# Altium PCB SI941C.PcbDoc (part 2 of 3) (continued)
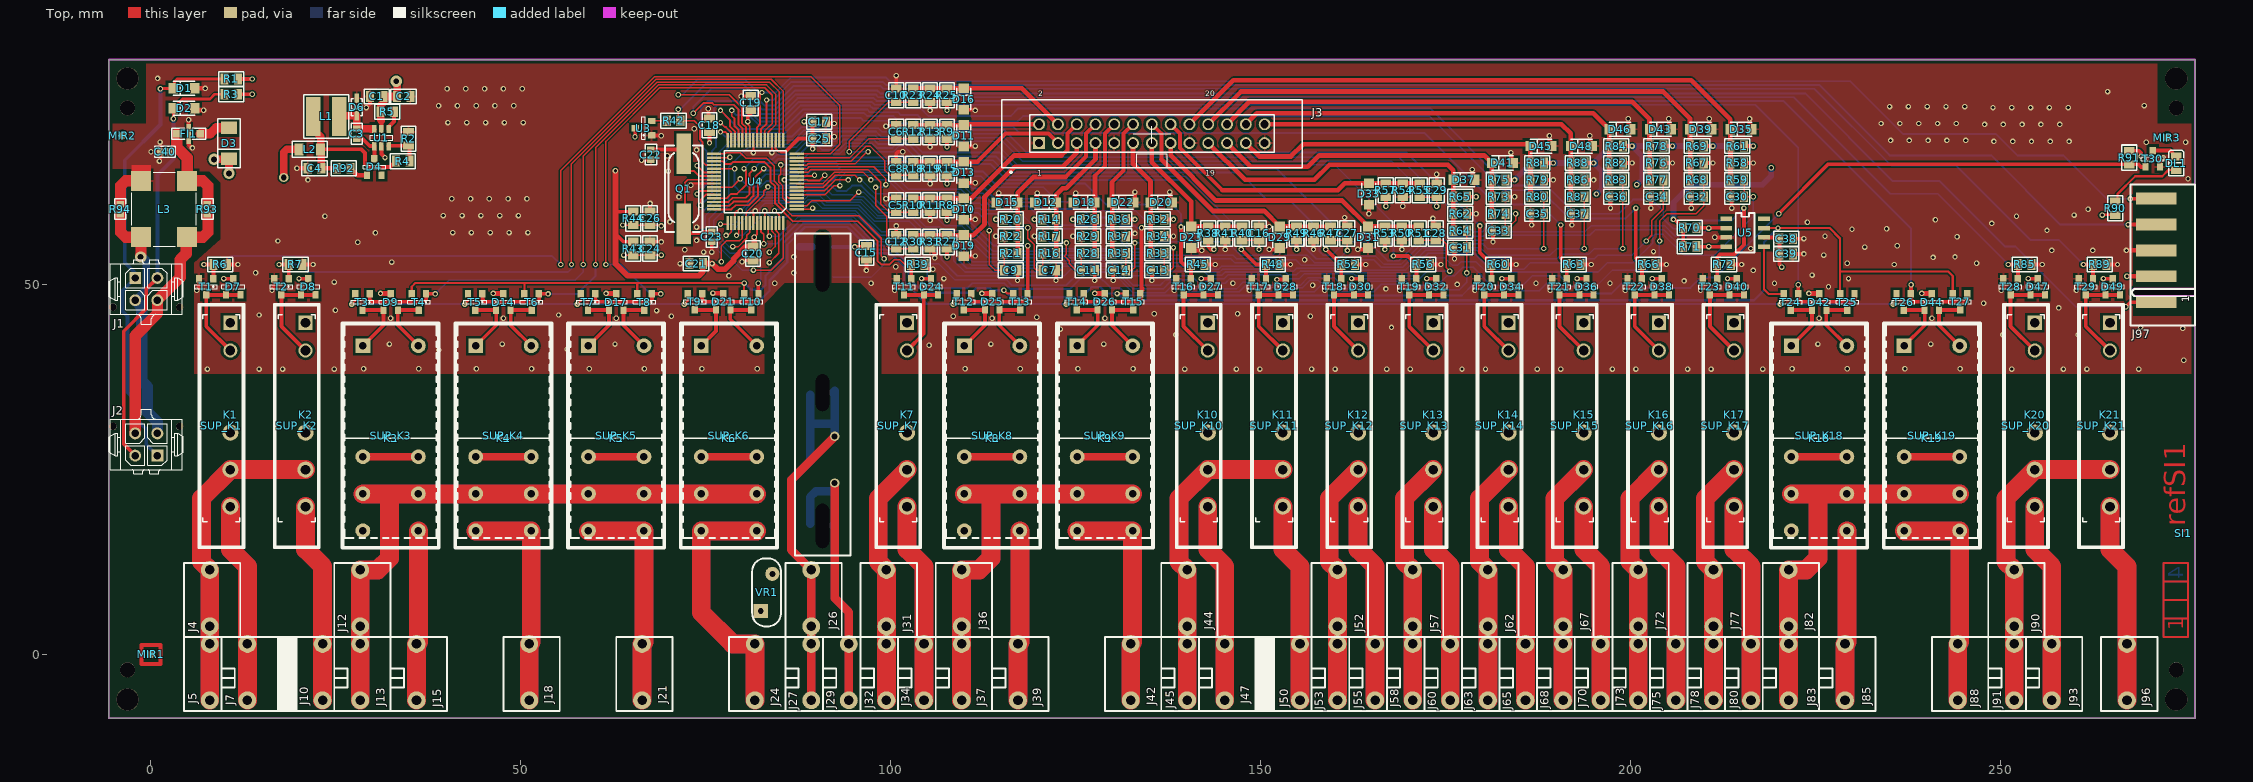
[diagram p0: Top view]
## Nets (pads, with @x,y where several pads share a name; then routed paths per layer and width w, separated by ;. In a path a pad name is that pad's centre, name@x,y a point inside that pad or via, vN(x,y) a via of type N, cw(c..) or ccw(c..) an arc to the next point about the centre after c; other vN are vias at no path point) (continued)
IN15_UC: C31.2 R64.2 U4.60 | length 113.3
  Top w0.203: U4.60@83.415,58.298 83.415,56.666 v1(83.566,56.515) ; v1(177.8,51.562) 177.825,51.587 C31.2@177.825,54.991 R64.2@177.825,57.277
  Bottom w0.203: v1(83.566,56.515) 84.836,56.515 87.503,59.182 94.869,59.182 98.298,55.753 102.362,55.753 105.283,52.832 106.426,52.832 108.585,50.673 115.57,50.673 116.332,49.911 123.698,49.911 125.476,51.689 129.921,51.689 132.715,48.895 137.033,48.895 138.049,49.911 138.938,49.911 139.827,49.022 147.066,49.022 147.955,49.911 148.844,49.911 149.733,49.022 157.226,49.022 158.115,49.911 159.258,49.911 160.147,49.022 165.227,49.022 166.243,50.038 169.037,50.038 169.799,49.276 176.784,49.276 177.8,50.292 v1(177.8,51.562)
IN16: D39.K J3.20 R67.2 R68.1 R69.1 | length 76.8
  Top w0.635: J3.20@142.875,71.65 147.298,76.073 204.343,76.073 207.973,72.443 D39.K@207.973,70.993 207.973,68.735 R69.1@208.001,68.707 R67.2@208.001,66.421 R68.1@208.001,64.135
IN16_UC: C32.2 R68.2 U4.59 | length 151.3
  Top w0.203: U4.59@82.915,58.298 82.915,59.928 v1(82.931,59.944) ; v1(203.86,55.88) 203.86,58.572 204.851,59.563 208.788,59.563 209.804,60.579 209.804,61.824 C32.2@209.829,61.849 R68.2@209.829,64.135
  Bottom w0.203: v1(82.931,59.944) 83.82,59.055 85.852,59.055 86.36,59.563 95.123,59.563 98.552,56.134 102.743,56.134 104.267,54.61 106.045,54.61 106.807,53.848 106.807,53.34 108.966,51.181 123.444,51.181 124.333,52.07 130.048,52.07 132.715,49.403 136.779,49.403 137.668,50.292 139.446,50.292 140.335,49.403 146.685,49.403 147.574,50.292 149.225,50.292 149.987,49.53 155.575,49.53 156.591,50.546 157.734,50.546 157.988,50.292 159.639,50.292 160.528,49.403 163.322,49.403 164.338,50.419 169.799,50.419 170.307,49.911 173.863,49.911 175.133,51.181 176.149,51.181 177.292,52.324 178.689,52.324 181.102,49.911 185.42,49.911 186.69,51.181 190.373,51.181 191.77,49.784 195.326,49.784 197.485,51.943 202.184,51.943 203.835,53.594 203.835,55.855 v1(203.86,55.88)
IN17: D41.K J3.21 R73.2 R74.1 R75.1 | length 45
  Top w0.635: J3.21@145.415,69.11 148.612,65.913 156.337,65.913 157.861,67.437 180.16,67.437 D41.K@181.176,66.421 181.176,64.163 R75.1@181.204,64.135 R73.2@181.204,61.849 R74.1@181.204,59.563
IN17_UC: C33.2 R74.2 U4.53 | length 145.7
  Top w0.203: v1(77.089,53.086) 77.089,55.245 77.724,55.88 79.502,55.88 79.915,56.293 U4.53@79.915,58.298 ; R74.2@183.032,59.563 C33.2@183.032,57.277 184.404,58.649 v1(184.404,59.563)
  Bottom w0.203: v1(77.089,53.086) 77.089,54.102 74.422,56.769 74.422,59.69 76.454,61.722 76.454,67.564 78.359,69.469 86.868,69.469 88.265,70.866 90.678,70.866 90.932,71.12 98.298,71.12 98.806,70.612 99.695,70.612 100.33,71.247 102.87,71.247 103.759,70.358 114.808,70.358 117.983,67.183 168.656,67.183 178.689,57.15 179.959,57.15 182.372,59.563 v1(184.404,59.563)
IN18: D43.K J3.22 R76.2 R77.1 R78.1 | length 67.5
  Top w0.635: J3.22@145.415,71.65 148.441,74.676 200.152,74.676 202.512,72.316 D43.K@202.512,70.993 202.512,68.735 R78.1@202.54,68.707 R76.2@202.54,66.421 R77.1@202.54,64.135
IN18_UC: C34.2 R77.2 U4.52 | length 146.1
  Top w0.203: v1(79.121,56.642) 79.201,56.642 79.415,56.856 U4.52@79.415,58.298 ; v1(202.057,55.88) 202.819,56.642 202.819,58.649 204.368,60.198 C34.2@204.368,61.849 R77.2@204.368,64.135
  Bottom w0.203: v1(79.121,56.642) 80.01,56.642 82.296,58.928 82.296,60.325 82.931,60.96 88.265,60.96 88.773,61.468 90.297,61.468 91.059,60.706 95.631,60.706 97.79,58.547 102.489,58.547 104.267,56.769 106.172,56.769 107.124,55.816 108.267,55.816 109.474,54.61 109.474,53.975 110.871,52.578 121.412,52.578 122.047,53.213 130.683,53.213 132.08,51.816 142.271,51.816 142.827,51.26 144.732,51.26 145.161,51.689 153.289,51.689 153.67,51.308 154.813,51.308 155.321,51.816 162.814,51.816 163.068,51.562 169.926,51.562 172.593,54.229 178.816,54.229 180.975,52.07 185.547,52.07 186.436,52.959 193.04,52.959 193.548,53.467 195.072,53.467 195.58,53.975 200.152,53.975 v1(202.057,55.88)
IN19: D45.K J3.23 R79.2 R80.1 R81.1 | length 46.8
  Top w0.635: J3.23@147.955,69.11 149.755,67.31 154.051,67.31 155.702,68.961 186.129,68.961 D45.K@186.383,68.707 186.383,66.449 R81.1@186.411,66.421 R79.2@186.411,64.135 R80.1@186.411,61.849
IN19_UC: C35.2 R80.2 U4.51 | length 126.5
  Top w0.203: U4.51@78.915,58.298 78.915,59.738 79.121,59.944 v1(79.629,59.944) ; v1(188.214,54.864) 188.214,59.538 C35.2@188.239,59.563 R80.2@188.239,61.849
  Bottom w0.203: v1(79.629,59.944) 81.788,62.103 87.884,62.103 88.646,62.865 91.313,62.865 92.075,62.103 94.805,62.103 95.059,61.849 96.266,61.849 98.425,59.69 103.759,59.69 104.013,59.436 105.791,59.436 107.315,57.912 109.601,57.912 113.411,54.102 120.142,54.102 120.523,54.483 131.318,54.483 132.334,53.467 145.926,53.467 146.431,52.962 152.276,52.962 153.289,53.975 156.21,53.975 157.226,52.959 160.909,52.959 161.798,53.848 165.481,53.848 166.624,52.705 168.91,52.705 171.704,55.499 179.959,55.499 180.594,54.864 v1(188.214,54.864)
IN20: D46.K J3.24 R82.2 R83.1 R84.1 | length 57.5
  Top w0.635: J3.24@147.955,71.65 149.457,73.152 194.892,73.152 D46.K@197.051,70.993 197.051,68.735 R84.1@197.079,68.707 R82.2@197.079,66.421 R83.1@197.079,64.135
IN20_UC: C36.2 R83.2 U4.50 | length 143
  Top w0.203: v1(77.724,56.642) 77.978,56.642 78.415,57.079 U4.50@78.415,58.298 ; v1(198.882,54.864) 198.882,61.824 C36.2@198.907,61.849 R83.2@198.907,64.135
  Bottom w0.203: v1(77.724,56.642) 77.978,56.642 80.899,59.563 80.899,60.198 82.042,61.341 88.138,61.341 88.773,61.976 90.424,61.976 91.313,61.087 95.885,61.087 98.044,58.928 102.87,58.928 104.521,57.277 106.439,57.277 107.315,56.401 108.572,56.401 110.236,54.737 110.236,53.848 110.998,53.086 121.158,53.086 121.666,53.594 130.937,53.594 132.08,52.451 142.24,52.451 143.002,51.689 144.399,51.689 144.78,52.07 153.797,52.07 154.051,51.816 154.432,51.816 154.813,52.197 163.068,52.197 163.322,51.943 169.545,51.943 172.212,54.61 179.197,54.61 180.34,53.467 189.992,53.467 190.627,54.102 194.31,54.102 195.072,54.864 v1(198.882,54.864)
IN21: D48.K J3.26 R86.2 R87.1 R88.1 | length 50.4
  Top w0.635: J3.26@150.495,71.65 190.605,71.65 191.844,70.411 D48.K@191.844,68.707 191.844,66.449 R88.1@191.872,66.421 R86.2@191.872,64.135 R87.1@191.872,61.849
IN21_UC: C37.2 R87.2 U4.49 | length 134.8
  Top w0.203: v1(76.962,58.166) 77.783,58.166 U4.49@77.915,58.298 ; v1(193.675,54.864) 193.675,59.538 C37.2@193.7,59.563 R87.2@193.7,61.849
  Bottom w0.203: v1(76.962,58.166) 78.867,58.166 80.423,59.722 80.423,60.23 81.915,61.722 88.011,61.722 88.646,62.357 90.932,62.357 91.821,61.468 96.012,61.468 98.171,59.309 103.168,59.309 104.692,57.785 106.68,57.785 107.188,57.277 109.474,57.277 113.157,53.594 120.65,53.594 121.031,53.975 131.191,53.975 132.207,52.959 142.494,52.959 143.383,52.07 144.272,52.07 144.653,52.451 152.335,52.451 153.224,53.34 154.686,53.34 155.448,52.578 161.544,52.578 162.306,53.34 165.227,53.34 166.243,52.324 169.164,52.324 171.831,54.991 179.578,54.991 180.594,53.975 189.103,53.975 189.992,54.864 v1(193.675,54.864)
LED: R91.1 T30.1 U4.58 | length 208.3
  Top w0.254: U4.58@82.415,58.298 82.415,57.158 82.804,56.769 v1(82.804,55.499)
  Top w0.508: v1(219.964,59.563) 226.638,66.237 R91.1@267.335,66.237 268.567,66.237 268.911,65.892 T30.1@269.535,65.892
  Bottom w0.254: v1(82.804,55.499) 84.582,55.499 87.884,58.801 94.615,58.801 98.171,55.245 101.854,55.245 104.902,52.197 104.902,50.546 105.918,49.53 110.363,49.53 110.998,50.165 115.316,50.165 116.078,49.403 124.206,49.403 126.111,51.308 127.889,51.308 129.667,49.53 130.937,49.53 131.953,48.514 177.165,48.514 178.689,50.038 179.959,50.038 180.848,49.149 187.579,49.149 188.595,50.165 189.992,50.165 191.389,48.768 197.358,48.768 198.755,50.165 200.025,50.165 200.66,49.53 208.026,49.53 209.423,50.927 211.328,50.927 v1(219.964,59.563)
NetC3_1: C3.1 D6.K L1.1 U1.6 | length 6.6
  Top w0.635: 29.718,71 U1.6@30.197,71
  Top w1.016: L1.1@25.435,72.707 25.531,72.803 D6.K@27.813,72.803 C3.1@27.813,71.032 29.686,71.032 29.718,71
NetC3_2: C3.2 D4.3 U1.1 | length 4.5
  Top w0.508: C3.2@27.813,69.691 28.568,69.691 29.559,68.7 U1.1@30.197,68.7 30.194,68.698 D4.3@30.194,66.981
NetC4_2: C4.2 L1.2 L2.1 R4.2 R92.2 | length 20.3
  Top w0.508: L2.1@22.913,68.263 28.448,68.263 28.924,67.786 28.924,66.358 29.4,65.881 32.296,65.881 R4.2@33.09,66.675
  Top w0.635: C4.2@23.012,65.722 R92.2@25.114,65.722 R92.2@25.284,65.722
  Top w1.016: L1.2@21.936,70.965 22.913,69.988 L2.1@22.913,68.263 23.012,68.163 C4.2@23.012,65.722
NetC22_2: C22.2 Q1.1 U4.39 | length 8.5
  Top w0.254: Q1.1@72.457,65.327 73.41,65.327 74.089,64.648 U4.39@76.065,64.648
  Top w0.508: C22.2@67.564,68.235 71.442,68.235 Q1.1@71.981,67.696
NetC23_2: C23.2 Q1.2 U4.40 | length 15.5
  Top w0.254: Q1.2@72.14,57.481 72.14,63.739 72.549,64.148 U4.40@76.065,64.148
  Top w0.508: Q1.2@71.981,58.196 71.981,56.913 74.362,56.913 74.557,57.108 C23.2@75.791,57.108
NetD1_K: D1.K J1.1 J2.1 R1.2 | length 64.4
  Top w0.381: v1(1.27,76.454) 1.318,76.502 D1.K@3.027,76.502 ; D1.K@3.011,76.597 3.191,76.777 3.191,77.438 3.524,77.772 R1.2@9.912,77.772
  Top w0.508: D1.K@2.987,76.573 D1.K@3.011,76.597
  Bottom w0.508: J2.1@0.865,26.88 -0.635,28.38 -0.635,30.48 -2.413,32.258 -2.413,34.671 -3.175,35.433 -3.175,45.72 -3.81,46.355 -3.81,49.205 J1.1@-2.135,50.88 -2.135,51.538 -3.556,52.959 -3.556,66.802 1.27,71.628 v1(1.27,76.454)
NetD2_K: D2.K J1.2 J2.2 R3.2 | length 58.1
  Top w0.381: v1@3.048,72.39 v1(3.027,72.411) D2.K@3.027,73.803 3.011,73.803 4.281,75.073 7.969,75.073 8.604,75.708 R3.2@9.912,75.708
  Top w0.508: J2.2@-2.135,26.88 -3.683,28.428 -3.683,43.688 -0.635,46.736 -0.635,49.38 J1.2@0.865,50.88
  Bottom w0.508: J1.2@0.865,50.88 0.865,64.794 3.048,66.977 v1@3.048,72.411
NetD3_A: D3.A FI1.3 | length 4.2
  Top w1.254: FI1.3@6.667,70.358 8.001,70.358 8.815,71.172 D3.A@10.541,71.172
NetD4_1: D4.1 R92.1 | length 2.7
  Top w0.635: R92.1@26.943,65.722 27.884,64.781 D4.1@29.219,64.781
NetD7_1: D7.1 D7.2 K1.A1 T1.3 | length 13.5
  Top w0.508: K1.A1@10.725,41.08 7.461,44.344 T1.3@7.461,48.589 D7.1@10.138,48.589 D7.2@12.087,48.589
NetD8_1: D8.1 D8.2 K2.A1 T2.3 | length 13.5
  Top w0.508: K2.A1@20.885,41.08 17.621,44.344 T2.3@17.621,48.589 D8.1@20.298,48.589 D8.2@22.247,48.589
NetD9_1: D9.1 K3.A1 T3.3 | length 8.8
  Top w0.508: T3.3@28.575,46.57 31.41,46.57 31.41,44.5 K3.A1@28.635,41.725
NetD9_2: D9.2 K3.A2 T4.3 | length 8.8
  Top w0.508: K3.A2@36.135,41.725 33.36,44.5 33.36,46.57 T4.3@36.195,46.57
NetD14_1: D14.1 K4.A1 T5.3 | length 8.8
  Top w0.508: T5.3@43.815,46.57 46.65,46.57 46.65,44.5 K4.A1@43.875,41.725
NetD14_2: D14.2 K4.A2 T6.3 | length 8.8
  Top w0.508: K4.A2@51.375,41.725 48.6,44.5 48.6,46.57 T6.3@51.435,46.57
NetD17_1: D17.1 K5.A1 T7.3 | length 8.8
  Top w0.508: T7.3@59.055,46.57 61.89,46.57 61.89,44.5 K5.A1@59.115,41.725
NetD17_2: D17.2 K5.A2 T8.3 | length 8.8
  Top w0.508: K5.A2@66.615,41.725 63.84,44.5 63.84,46.57 T8.3@66.675,46.57
NetD21_1: D21.1 K6.A1 T9.3 | length 8.5
  Top w0.508: T9.3@73.501,46.57 D21.1@76.336,46.57 76.336,43.706 K6.A1@74.355,41.725
NetD21_2: D21.2 K6.A2 T10.3 | length 9.2
  Top w0.508: T10.3@81.121,46.57 D21.2@78.286,46.57 78.286,45.294 K6.A2@81.855,41.725
NetD24_1: D24.1 D24.2 K7.A1 T11.3 | length 13.1
  Top w0.508: T11.3@101.759,48.589 D24.1@104.435,48.589 ; K7.A1@102.165,41.08 104.435,43.35 D24.1@104.435,48.589 ; D24.2@106.385,48.589 D24.1@104.435,48.589
NetD25_1: D25.1 K8.A1 T12.3 | length 8.8
  Top w0.508: T12.3@109.855,46.57 D25.1@112.69,46.57 112.69,44.5 K8.A1@109.915,41.725
NetD25_2: D25.2 K8.A2 T13.3 | length 8.8
  Top w0.508: K8.A2@117.415,41.725 114.64,44.5 D25.2@114.64,46.57 T13.3@117.475,46.57
NetD26_1: D26.1 K9.A1 T14.3 | length 8.8
  Top w0.508: T14.3@125.095,46.57 D26.1@127.93,46.57 127.93,44.5 K9.A1@125.155,41.725
NetD26_2: D26.2 K9.A2 T15.3 | length 8.8
  Top w0.508: K9.A2@132.655,41.725 129.88,44.5 D26.2@129.88,46.57 T15.3@132.715,46.57
NetD27_1: D27.1 D27.2 K10.A1 T16.3 | length 13.5
  Top w0.508: K10.A1@142.805,41.08 139.541,44.344 T16.3@139.541,48.589 D27.1@142.218,48.589 D27.2@144.167,48.589
NetD28_1: D28.1 D28.2 K11.A1 T17.3 | length 13.5
  Top w0.508: K11.A1@152.965,41.08 149.701,44.344 T17.3@149.701,48.589 D28.1@152.378,48.589 D28.2@154.327,48.589
NetD30_1: D30.1 D30.2 K12.A1 T18.3 | length 13.5
  Top w0.508: K12.A1@163.125,41.08 159.861,44.344 T18.3@159.861,48.589 D30.1@162.538,48.589 D30.2@164.487,48.589
NetD32_1: D32.1 D32.2 K13.A1 T19.3 | length 13.5
  Top w0.508: K13.A1@173.285,41.08 170.021,44.344 T19.3@170.021,48.589 D32.1@172.698,48.589 D32.2@174.647,48.589
NetD34_1: D34.1 D34.2 K14.A1 T20.3 | length 13.5
  Top w0.508: K14.A1@183.445,41.08 180.181,44.344 T20.3@180.181,48.589 D34.1@182.858,48.589 D34.2@184.807,48.589
NetD36_1: D36.1 D36.2 K15.A1 T21.3 | length 13.5
  Top w0.508: K15.A1@193.605,41.08 190.341,44.344 T21.3@190.341,48.589 D36.1@193.018,48.589 D36.2@194.967,48.589
NetD38_1: D38.1 D38.2 K16.A1 T22.3 | length 13.5
  Top w0.508: K16.A1@203.765,41.08 200.501,44.344 T22.3@200.501,48.589 D38.1@203.178,48.589 D38.2@205.127,48.589
NetD40_1: D40.1 D40.2 K17.A1 T23.3 | length 13.5
  Top w0.508: K17.A1@213.925,41.08 210.661,44.344 T23.3@210.661,48.589 D40.1@213.338,48.589 D40.2@215.287,48.589
NetD42_1: D42.1 K18.A1 T24.3 | length 8.8
  Top w0.508: T24.3@221.615,46.57 224.45,46.57 224.45,44.5 K18.A1@221.675,41.725
NetD42_2: D42.2 K18.A2 T25.3 | length 8.8
  Top w0.508: K18.A2@229.175,41.725 226.4,44.5 226.4,46.57 T25.3@229.235,46.57
NetD44_1: D44.1 K19.A1 T26.3 | length 8.8
  Top w0.508: T26.3@236.855,46.57 239.69,46.57 239.69,44.5 K19.A1@236.915,41.725
NetD44_2: D44.2 K19.A2 T27.3 | length 8.8
  Top w0.508: K19.A2@244.415,41.725 241.64,44.5 241.64,46.57 T27.3@244.475,46.57
NetD47_1: D47.1 D47.2 K20.A1 T28.3 | length 13.5
  Top w0.508: K20.A1@254.565,41.08 251.301,44.344 T28.3@251.301,48.589 D47.1@253.978,48.589 D47.2@255.927,48.589
NetD49_1: D49.1 D49.2 K21.A1 T29.3 | length 13.5
  Top w0.508: K21.A1@264.725,41.08 261.461,44.344 T29.3@261.461,48.589 D49.1@264.138,48.589 D49.2@266.087,48.589
NetDL1_A: DL1.A R90.2 | length 10.4
  Top w0.305: R90.2@265.43,61.239 265.748,61.557 265.748,62.23 268.129,64.611 271.78,64.611 272.634,65.466 DL1.A@273.685,65.466
NetDL1_K: DL1.K T30.3 | length 3.5
  Top w0.508: T30.3@270.51,68.093 272.887,68.093 DL1.K@273.685,67.294
NetK3_12: K3.12 K3.22 | length 7.5
  Top w1.016: K3.12@28.635,26.725 K3.22@36.135,26.725
NetK4_12: K4.12 K4.22 | length 7.5
  Top w1.016: K4.12@43.875,26.725 K4.22@51.375,26.725
NetK5_12: K5.12 K5.22 | length 7.5
  Top w1.016: K5.12@59.115,26.725 K5.22@66.615,26.725
NetK6_12: K6.12 K6.22 | length 7.5
  Top w1.016: K6.12@74.355,26.725 K6.22@81.855,26.725
NetK8_12: K8.12 K8.22 | length 7.5
  Top w1.016: K8.12@109.915,26.725 K8.22@117.415,26.725
NetK9_12: K9.12 K9.22 | length 7.5
  Top w1.016: K9.12@125.155,26.725 K9.22@132.655,26.725
NetK18_12: K18.12 K18.22 | length 7.5
  Top w1.016: K18.12@221.675,26.725 K18.22@229.175,26.725
NetK19_12: K19.12 K19.22 | length 7.5
  Top w1.016: K19.12@236.915,26.725 K19.22@244.415,26.725
NetR2_2: R2.2 R4.1 U1.3 | length 4.9
  Top w0.508: U1.3@32.097,68.7 32.136,68.739 34.48,68.739 R2.2@34.62,68.599 ; R2.2@34.798,68.777 R2.2@34.62,68.599 ; R4.1@34.919,66.675 34.919,68.301 R2.2@34.62,68.599
NetR5_1: R5.1 U1.4 | length 2.7
  Top w0.508: U1.4@32.097,71 32.097,71.276 32.855,72.034 R5.1@32.855,73.343
NetR42_1: R42.1 U3.2 | length 2.1
  Top w0.254: U3.2@67.648,72.095 67.689,72.136 R42.1@69.698,72.136
NetT3_2: T3.2 T5.2 T7.2 T9.2 T12.2 T14.2 T24.2 T26.2 U5.5 | length 241.8
  Top w0.305: v1(27.146,47.352) 27.6,47.806 T3.2@27.6,48.77 ; v1(42.386,47.352) 42.84,47.806 T5.2@42.84,48.77 ; v1(57.626,47.352) 58.08,47.806 T7.2@58.08,48.77 ; v1(72.072,47.352) 72.526,47.806 T9.2@72.526,48.77 ; v1(108.426,47.352) 108.88,47.806 T12.2@108.88,48.77 ; v1(123.666,47.352) 124.12,47.806 T14.2@124.12,48.77 ; U5.5@217.964,55.086 217.964,49.371 218.61,48.725 T24.2@220.64,48.725 220.64,47.806 v1(220.186,47.352) ; v1(235.426,47.352) 235.88,47.806 T26.2@235.88,48.77
  Bottom w0.305: v1(27.146,47.352) v1(42.386,47.352) v1(57.626,47.352) v1(72.072,47.352) 81.769,47.352 83.566,49.149 83.566,50.546 85.979,52.959 85.979,55.372 88.392,57.785 94.107,57.785 97.663,54.229 99.949,54.229 101.79,52.387 101.79,50.355 104.794,47.352 v1(108.426,47.352) v1(123.666,47.352) v1(220.186,47.352) v1(235.426,47.352)
NetT4_2: T4.2 T6.2 T8.2 T10.2 T13.2 T15.2 T25.2 T27.2 U5.7 | length 249.8
  Top w0.305: T4.2@35.22,48.77 35.22,49.689 35.719,50.187 50.46,50.187 ; T6.2@50.46,48.77 50.46,50.187 ; T8.2@65.7,48.77 65.7,50.187 ; T10.2@80.146,48.77 80.146,50.187 65.7,50.187 ; v1(115.252,49.212) 115.695,48.77 T13.2@116.5,48.77 ; v1(130.556,48.77) T15.2@131.74,48.77 ; U5.7@217.964,57.626 v1(219.869,57.626) 226.854,57.626 228.26,56.22 228.26,51.752 ; T25.2@228.26,48.725 228.26,51.752 ; T27.2@243.5,48.77 243.5,51.14 242.887,51.752 228.26,51.752 ; 50.46,50.187 65.7,50.187
  Bottom w0.305: v1(80.169,50.19) 81.083,49.276 82.423,49.276 83.058,49.911 83.058,51.181 85.471,53.594 85.471,55.626 88.138,58.293 94.361,58.293 97.917,54.737 100.33,54.737 102.362,52.705 102.362,50.927 104.394,48.895 110.871,48.895 111.506,49.53 113.347,49.53 113.665,49.212 v1(115.252,49.212) 116.205,48.26 125.73,48.26 127.127,49.657 128.27,49.657 129.157,48.77 v1(130.556,48.77) 130.681,48.77 131.572,47.879 216.63,47.879 217.964,49.212 217.964,55.721 v1(219.869,57.626)
RB0_UC: T3.1 T4.1 U4.18 | length 85.3
  Top w0.203: v1(58.42,52.705) 58.42,67.372 68.391,77.343 83.566,77.343 84.915,75.994 U4.18@84.915,69.498
  Top w0.508: T3.1@29.55,48.77 29.55,47.965 29.845,47.67 36.89,47.67 37.211,47.991 T4.1@37.211,48.729 ; T4.1@37.17,48.725 37.181,48.736 v1(38.417,48.736)
  Bottom w0.203: v1(38.417,48.736) 40.227,50.546 57.277,50.546 58.42,51.689 v1(58.42,52.705)
RB0CO: J12.1 J12.2 J13.1 J13.2 K3.11 K3.21 K4.11 K4.21 K5.11 K5.21 K6.11 K6.21 | length 336.1
  Top w2.54: J13.1@28.265,-6.19 J13.2@28.265,1.43 J12.1@28.265,3.81 J12.2@28.265,11.43 30.639,11.43 32.226,13.018 32.226,21.59 ; K3.11@28.635,21.68 K6.21@81.855,21.68
  MidLayer1 w2.54: J13.1@28.265,-6.19 J13.2@28.265,1.43 J12.1@28.265,3.81 J12.2@28.265,11.43 30.639,11.43 32.226,13.018 32.226,21.59 ; K3.11@28.635,21.68 K6.21@81.855,21.68
  MidLayer2 w2.54: J13.1@28.265,-6.19 J13.2@28.265,1.43 J12.1@28.265,3.81 J12.2@28.265,11.43 30.639,11.43 32.226,13.018 32.226,21.59 ; K3.11@28.635,21.68 K6.21@81.855,21.68
  Bottom w2.54: J13.1@28.265,-6.19 J13.2@28.265,1.43 J12.1@28.265,3.81 J12.2@28.265,11.43 30.639,11.43 32.226,13.018 32.226,21.59 ; K3.11@28.635,21.68 K6.21@81.855,21.68
RB0NO: J15.1 J15.2 K3.14 K3.24 | length 91.9
  Top w2.54: J15.1@35.885,-6.19 J15.2@35.885,1.43 36.135,1.68 K3.24@36.135,16.68
  MidLayer1 w2.54: J15.1@35.885,-6.19 J15.2@35.885,1.43 36.135,1.68 K3.24@36.135,16.68
  MidLayer2 w2.54: J15.1@35.885,-6.19 J15.2@35.885,1.43 36.135,1.68 K3.24@36.135,16.68
  Bottom w2.54: J15.1@35.885,-6.19 J15.2@35.885,1.43 36.135,1.68 K3.24@36.135,16.68
RB1_UC: T5.1 T6.1 U4.21 | length 70.5
  Top w0.203: v1(60.071,52.705) 60.071,68.484 68.549,76.962 83.185,76.962 84.455,75.692 84.455,71.628 83.415,70.588 U4.21@83.415,69.498
  Top w0.508: T5.1@44.79,48.77 44.79,47.965 45.085,47.67 52.13,47.67 52.451,47.991 T6.1@52.451,48.729 ; T6.1@52.41,48.725 52.421,48.736 v1(53.657,48.736)
  Bottom w0.254: v1(53.657,48.736) 57.626,48.736 60.071,51.181 v1(60.071,52.705)
RB1NO: J18.1 J18.2 K4.14 K4.24 | length 121.9
  Top w2.54: K4.14@43.875,16.68 51.375,16.68 51.375,1.68 J18.2@51.125,1.43 J18.1@51.125,-6.19
  MidLayer1 w2.54: K4.14@43.875,16.68 51.375,16.68 51.375,1.68 J18.2@51.125,1.43 J18.1@51.125,-6.19
  MidLayer2 w2.54: K4.14@43.875,16.68 51.375,16.68 51.375,1.68 J18.2@51.125,1.43 J18.1@51.125,-6.19
  Bottom w2.54: K4.14@43.875,16.68 51.375,16.68 51.375,1.68 J18.2@51.125,1.43 J18.1@51.125,-6.19
RB2_UC: T7.1 T8.1 U4.22 | length 68.8
  Top w0.203: v1(61.468,52.705) 61.468,69.342 68.707,76.581 82.931,76.581 83.947,75.565 83.947,71.763 82.915,70.731 U4.22@82.915,69.498
  Top w0.508: T7.1@60.03,48.77 60.03,47.965 60.325,47.67 67.37,47.67 67.691,47.991 T8.1@67.691,48.729 ; T8.1@67.65,48.725 67.661,48.736 v1(68.897,48.736)
  Bottom w0.254: v1(61.468,52.705) 63.5,52.705 67.469,48.736 v1(68.897,48.736)
RB2NO: J21.1 J21.2 K5.14 K5.24 | length 121.9
  Top w2.54: K5.14@59.115,16.68 66.615,16.68 66.615,1.68 J21.2@66.365,1.43 J21.1@66.365,-6.19
  MidLayer1 w2.54: K5.14@59.115,16.68 66.615,16.68 66.615,1.68 J21.2@66.365,1.43 J21.1@66.365,-6.19
  MidLayer2 w2.54: K5.14@59.115,16.68 66.615,16.68 66.615,1.68 J21.2@66.365,1.43 J21.1@66.365,-6.19
  Bottom w2.54: K5.14@59.115,16.68 66.615,16.68 66.615,1.68 J21.2@66.365,1.43 J21.1@66.365,-6.19
RB3_UC: T9.1 T10.1 U4.34 | length 35.5
  Top w0.203: U4.34@76.065,67.148 78.197,67.148 v1(78.232,67.183)
  Top w0.508: T9.1@74.476,48.77 74.476,47.965 74.771,47.67 81.801,47.67 82.096,47.965 T10.1@82.096,48.77 82.074,48.792 v1(82.074,50.165)
  Bottom w0.203: v1(78.232,67.183) 77.47,66.421 77.47,60.96 75.438,58.928 75.438,57.023 78.232,54.229 80.391,54.229 82.423,52.197 82.423,50.514 v1(82.074,50.165)
RB3NO: J24.1 J24.2 K6.14 K6.24 | length 140.5
  Top w2.54: J24.1@81.605,-6.19 J24.2@81.605,1.43 78.596,1.43 74.355,5.671 74.355,16.68 K6.24@81.855,16.68
  MidLayer1 w2.54: J24.1@81.605,-6.19 J24.2@81.605,1.43 78.596,1.43 74.355,5.671 74.355,16.68 K6.24@81.855,16.68
  MidLayer2 w2.54: J24.1@81.605,-6.19 J24.2@81.605,1.43 78.596,1.43 74.355,5.671 74.355,16.68 K6.24@81.855,16.68
  Bottom w2.54: J24.1@81.605,-6.19 J24.2@81.605,1.43 78.596,1.43 74.355,5.671 74.355,16.68 K6.24@81.855,16.68
RB4_UC: T12.1 T13.1 U4.37 | length 65.7
  Top w0.254: U4.37@76.065,65.648 v1(78.867,65.648)
  Top w0.508: T12.1@110.83,48.77 110.83,47.965 111.125,47.67 118.17,47.67 118.491,47.991 118.491,48.729 T13.1@118.45,48.77 118.491,48.811 v1(118.491,55.245)
  Bottom w0.254: v1(78.867,65.648) 78.867,63.246 79.629,62.484 87.63,62.484 88.519,63.373 91.948,63.373 92.71,62.611 93.98,62.611 94.742,63.373 96.012,63.373 98.679,60.706 103.251,60.706 103.505,60.96 107.188,60.96 108.458,59.69 109.41,59.69 113.855,55.245 v1(118.491,55.245)
RB4CO: J36.1 J36.2 J37.1 J37.2 K8.11 K8.21 K9.11 K9.21 | length 214.2
  Top w2.54: J37.1@109.545,-6.19 J37.2@109.545,1.43 J36.1@109.545,3.81 J36.2@109.545,11.43 111.919,11.43 113.506,13.018 113.506,21.59 ; K8.11@109.915,21.68 K9.21@132.655,21.68
  MidLayer1 w2.54: J37.1@109.545,-6.19 J37.2@109.545,1.43 J36.1@109.545,3.81 J36.2@109.545,11.43 111.919,11.43 113.506,13.018 113.506,21.59 ; K8.11@109.915,21.68 K9.21@132.655,21.68
  MidLayer2 w2.54: J37.1@109.545,-6.19 J37.2@109.545,1.43 J36.1@109.545,3.81 J36.2@109.545,11.43 111.919,11.43 113.506,13.018 113.506,21.59 ; K8.11@109.915,21.68 K9.21@132.655,21.68
  Bottom w2.54: J37.1@109.545,-6.19 J37.2@109.545,1.43 J36.1@109.545,3.81 J36.2@109.545,11.43 111.919,11.43 113.506,13.018 113.506,21.59 ; K8.11@109.915,21.68 K9.21@132.655,21.68
RB4NO: J39.1 J39.2 K8.14 K8.24 | length 91.9
  Top w2.54: J39.1@117.165,-6.19 J39.2@117.165,1.43 117.415,1.68 K8.24@117.415,16.68
  MidLayer1 w2.54: J39.1@117.165,-6.19 J39.2@117.165,1.43 117.415,1.68 K8.24@117.415,16.68
  MidLayer2 w2.54: J39.1@117.165,-6.19 J39.2@117.165,1.43 117.415,1.68 K8.24@117.415,16.68
  Bottom w2.54: J39.1@117.165,-6.19 J39.2@117.165,1.43 117.415,1.68 K8.24@117.415,16.68
RB5_UC: T14.1 T15.1 U4.42 | length 82.4
  Top w0.254: U4.42@76.065,63.148 78.515,63.148 v1(79.629,64.262)
  Top w0.508: T14.1@126.07,48.77 126.07,47.965 126.365,47.67 133.41,47.67 133.731,47.991 T15.1@133.731,48.729 ; T15.1@133.69,48.77 133.604,48.856 133.985,49.237 133.858,49.364 133.985,49.491 133.858,49.618 v1(133.858,57.658)
  Bottom w0.254: v1(79.629,64.262) 80.645,63.246 82.423,63.246 83.185,64.008 84.201,64.008 84.836,63.373 87.122,63.373 89.281,65.532 92.837,65.532 93.218,65.913 100.965,65.913 102.108,64.77 109.22,64.77 110.998,62.992 112.649,62.992 114.046,61.595 119.253,61.595 120.65,60.198 125.857,60.198 127,59.055 130.048,59.055 131.191,57.912 132.969,57.912 133.223,57.658 v1(133.858,57.658)
RB5NO: J42.1 J42.2 K9.14 K9.24 | length 121.9
  Top w2.54: K9.14@125.155,16.68 132.655,16.68 132.655,1.68 J42.2@132.405,1.43 J42.1@132.405,-6.19
  MidLayer1 w2.54: K9.14@125.155,16.68 132.655,16.68 132.655,1.68 J42.2@132.405,1.43 J42.1@132.405,-6.19
  MidLayer2 w2.54: K9.14@125.155,16.68 132.655,16.68 132.655,1.68 J42.2@132.405,1.43 J42.1@132.405,-6.19
  Bottom w2.54: K9.14@125.155,16.68 132.655,16.68 132.655,1.68 J42.2@132.405,1.43 J42.1@132.405,-6.19
RB6_UC: T24.1 T25.1 U4.44 | length 197.4
  Top w0.254: v1(74.295,60.706) 74.295,61.468 74.975,62.148 U4.44@76.065,62.148
  Top w0.508: T24.1@222.59,48.725 222.59,49.962 v1(222.606,49.978) ; T24.1@222.59,48.77 222.59,47.965 222.885,47.67 229.93,47.67 230.251,47.991 T25.1@230.251,48.729
  Bottom w0.254: v1(74.295,60.706) 75.819,62.23 75.819,68.072 76.327,68.58 76.327,69.723 76.073,69.977 76.073,73.787 76.581,74.295 78.74,74.295 79.629,73.406 80.899,73.406 82.296,72.009 84.836,72.009 87.503,74.676 97.409,74.676 97.79,74.295 216.789,74.295 222.606,68.478 v1(222.606,49.978)
RB6CO: J82.1 J82.2 J83.1 J83.2 K18.11 K18.21 K19.11 K19.21 | length 214.2
  Top w2.54: J83.1@221.305,-6.19 J83.2@221.305,1.43 J82.1@221.305,3.81 J82.2@221.305,11.43 223.679,11.43 225.266,13.018 225.266,21.59 ; K18.11@221.675,21.68 K19.21@244.415,21.68
  MidLayer1 w2.54: J83.1@221.305,-6.19 J83.2@221.305,1.43 J82.1@221.305,3.81 J82.2@221.305,11.43 223.679,11.43 225.266,13.018 225.266,21.59 ; K18.11@221.675,21.68 K19.21@244.415,21.68
  MidLayer2 w2.54: J83.1@221.305,-6.19 J83.2@221.305,1.43 J82.1@221.305,3.81 J82.2@221.305,11.43 223.679,11.43 225.266,13.018 225.266,21.59 ; K18.11@221.675,21.68 K19.21@244.415,21.68
  Bottom w2.54: J83.1@221.305,-6.19 J83.2@221.305,1.43 J82.1@221.305,3.81 J82.2@221.305,11.43 223.679,11.43 225.266,13.018 225.266,21.59 ; K18.11@221.675,21.68 K19.21@244.415,21.68
RB6NO: J85.1 J85.2 K18.14 K18.24 | length 91.9
  Top w2.54: J85.1@228.925,-6.19 J85.2@228.925,1.43 229.175,1.68 K18.24@229.175,16.68
  MidLayer1 w2.54: J85.1@228.925,-6.19 J85.2@228.925,1.43 229.175,1.68 K18.24@229.175,16.68
  MidLayer2 w2.54: J85.1@228.925,-6.19 J85.2@228.925,1.43 229.175,1.68 K18.24@229.175,16.68
  Bottom w2.54: J85.1@228.925,-6.19 J85.2@228.925,1.43 229.175,1.68 K18.24@229.175,16.68